# Altium PCB CONTROLLER_BASE.PcbDoc (part 7 of 7)
Units mm, origin at the board's own origin, x right, y up, seen from the top; angles counter-clockwise.
Board outline 258 x 160 mm, 4 copper layers (Top Layer, Internal Plane 1, Internal Plane 2, Bottom Layer); 818 components, 410 nets, 2314 pads, 511 vias.
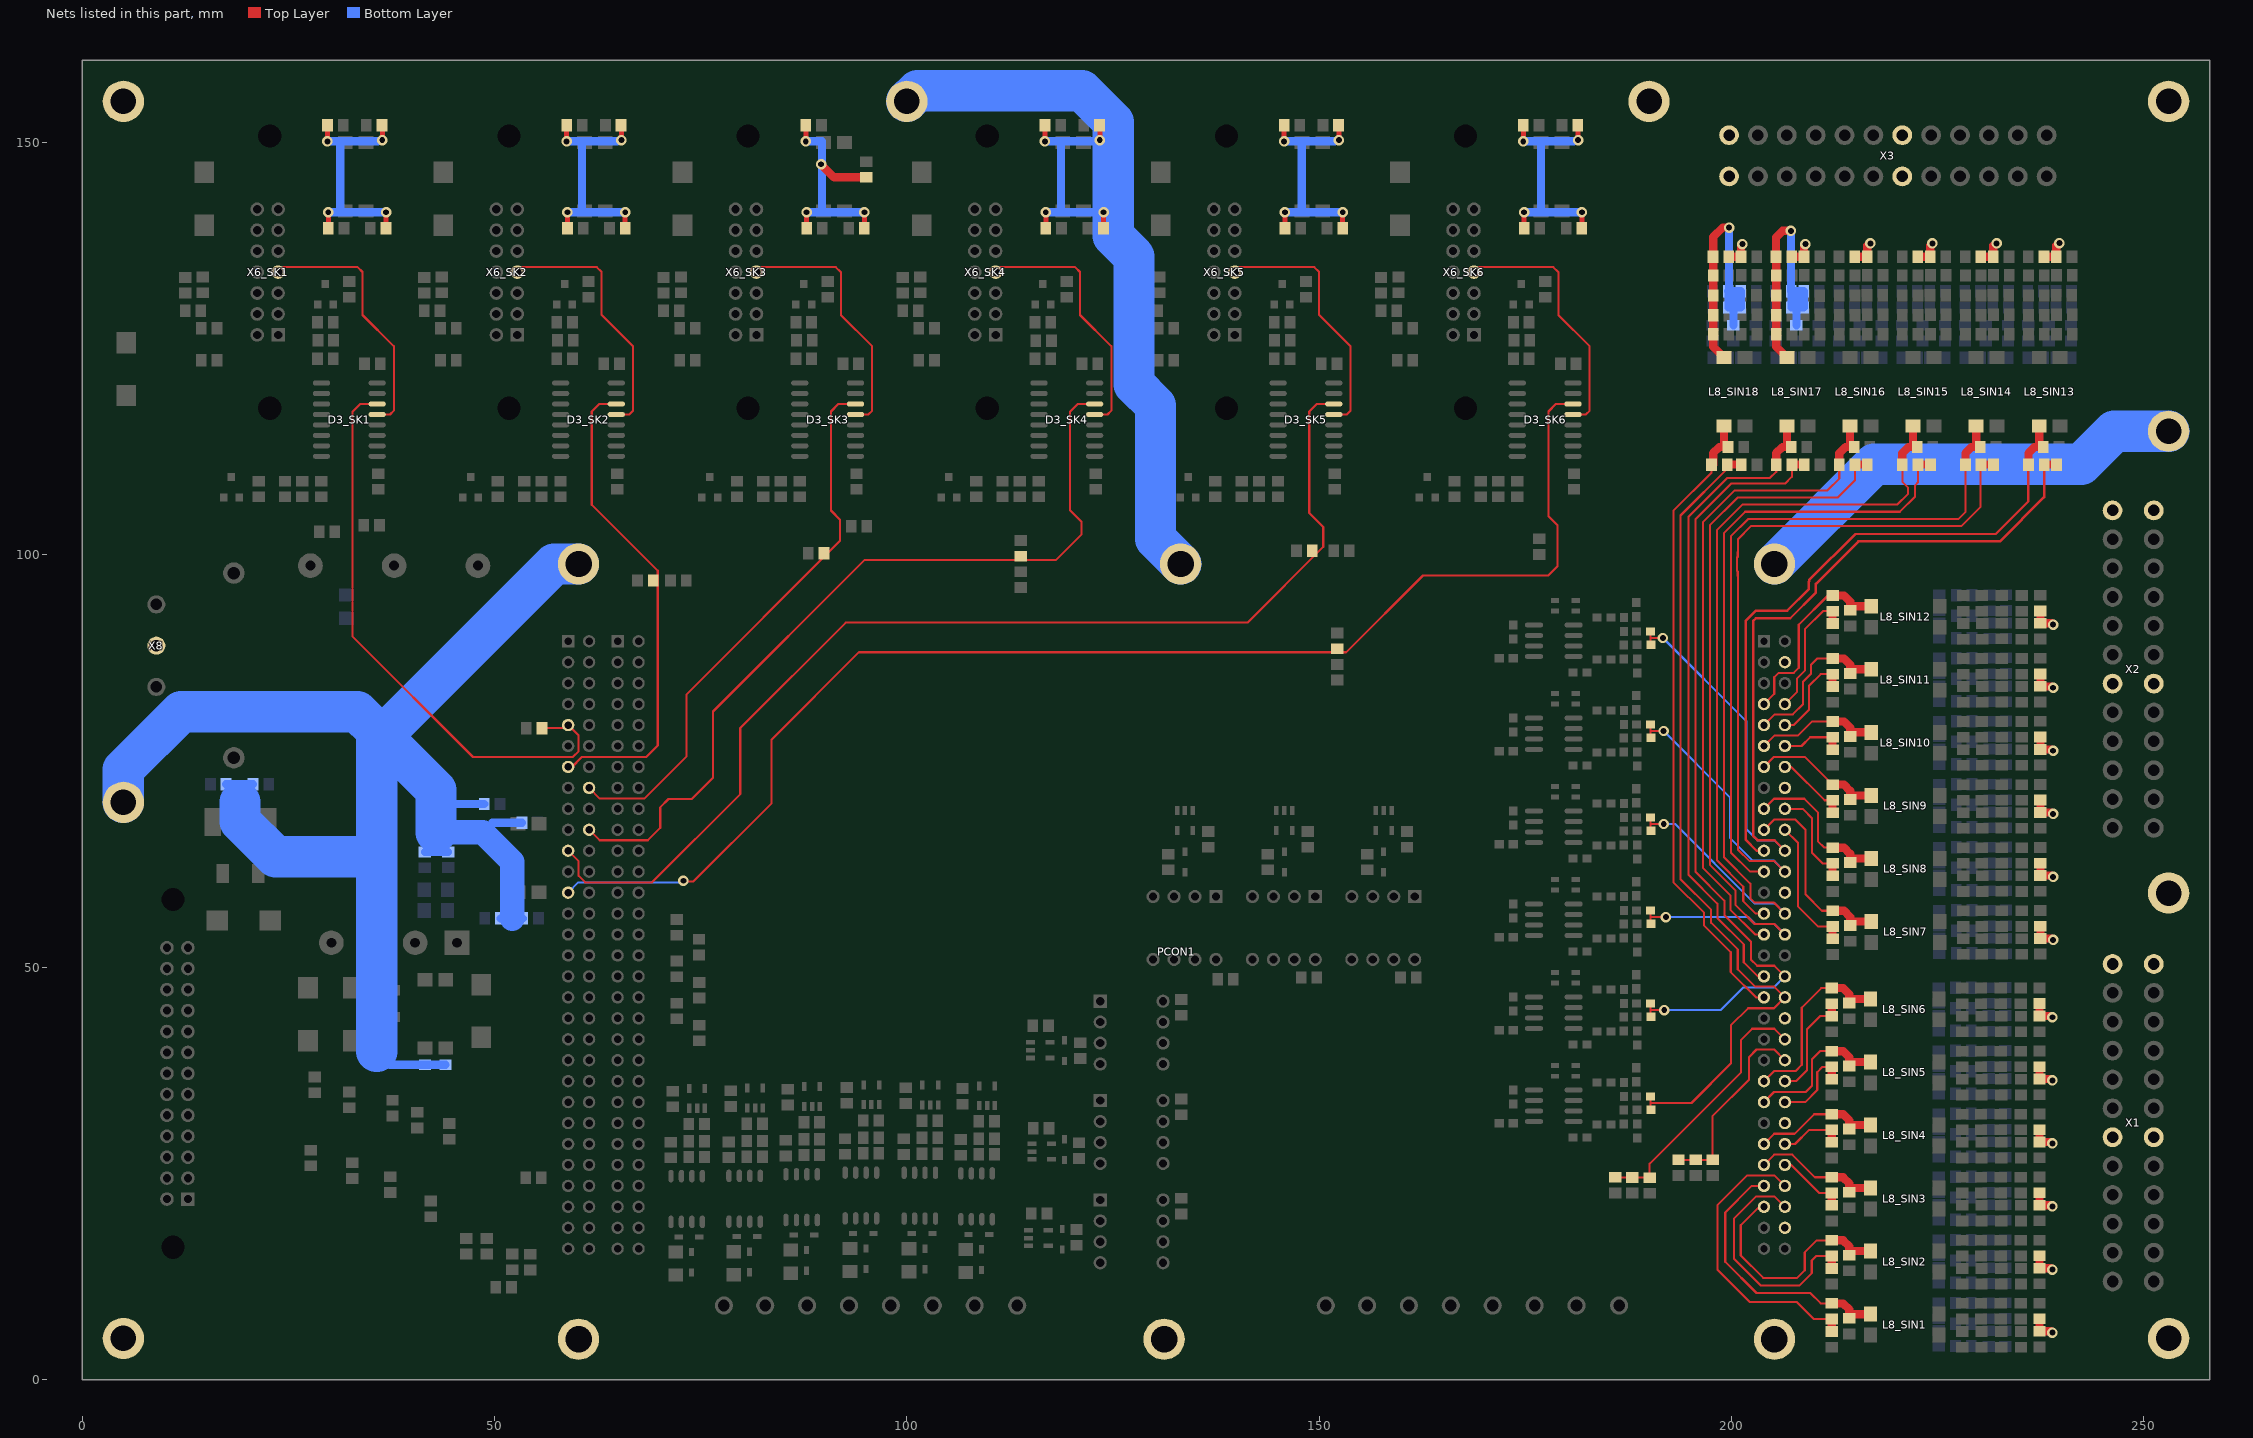
[diagram p9: the nets of this part, all layers, seen from the top]

## Via types
v1: diameter 1.27, hole 0.711, Top Layer to Bottom Layer, tented both sides, 414 vias
v2: diameter 0.9, hole 0.4, Top Layer to Bottom Layer, tented both sides, 95 vias
v3: diameter 0.9, hole 0.5, Top Layer to Bottom Layer, tented both sides, 2 vias

## Nets (pads, with @x,y where several pads share a name; then routed paths per layer and width w, separated by ;. In a path a pad name is that pad's centre, name@x,y a point inside that pad or via, vN(x,y) a via of type N, cw(c..) or ccw(c..) an arc to the next point about the centre after c; other vN are vias at no path point) (continued)
SGND_SIN17: C31_SIN17.1 C33_SIN17.1 C35_SIN17.2 C36_SIN17.2 C46_SIN17.2 L5_SIN17.1 L8_SIN17.3 R44_SIN17.1 R45_SIN17.1 R46_SIN17.1 R47_SIN17.1 | length 35.9
  Top Layer w1: C46_SIN17.2@205.393,136.148 205.393,138.515 206.178,139.3 v1(207.2,139.3) ; C46_SIN17.2@205.418,136.3 R44_SIN17.1@205.418,133.881 R47_SIN17.1@205.418,131.462 R46_SIN17.1@205.418,129.042 R45_SIN17.1@205.418,126.775 205.418,125.256 L8_SIN17.3@206.724,123.95
  Bottom Layer w1: v1(207.2,139.3) 207.2,132.024 C36_SIN17.2@207.242,131.982 C36_SIN17.2@207.267,131.982 ; C36_SIN17.2@207.267,132.048 C36_SIN17.2@207.267,131.982 ; L5_SIN17.1@207.867,127.852 207.867,129.925 207.943,130.001 ; C36_SIN17.2@207.267,131.982 C35_SIN17.2@207.267,130.001 207.943,130.001 ; C36_SIN17.2@207.267,131.982 208.019,131.982 ; 207.943,130.001 208.019,130.077 208.019,131.982 ; 207.943,130.001 C31_SIN17.1@208.746,130.001 C33_SIN17.1@208.746,131.982 208.019,131.982
SGND_SIN18: C31_SIN18.1 C33_SIN18.1 C35_SIN18.2 C36_SIN18.2 C46_SIN18.2 L5_SIN18.1 L8_SIN18.3 R44_SIN18.1 R45_SIN18.1 R46_SIN18.1 R47_SIN18.1 | length 36.5
  Top Layer w1: L8_SIN18.3@199.078,123.95 197.773,125.256 R45_SIN18.1@197.773,126.775 R46_SIN18.1@197.773,129.042 R47_SIN18.1@197.773,131.462 R44_SIN18.1@197.773,133.881 197.773,138.54 198.933,139.7 v1(199.7,139.7)
  Bottom Layer w1: C36_SIN18.2@199.622,132.048 C36_SIN18.2@199.622,131.982 ; v1(199.7,139.7) 199.7,132.086 C36_SIN18.2@199.597,131.982 C36_SIN18.2@199.622,131.982 ; L5_SIN18.1@200.221,127.852 200.221,129.925 200.298,130.001 ; C36_SIN18.2@199.622,131.982 C35_SIN18.2@199.622,130.001 200.298,130.001 ; C36_SIN18.2@199.622,131.982 200.374,131.982 ; 200.298,130.001 200.374,130.077 200.374,131.982 ; 200.298,130.001 C31_SIN18.1@201.1,130.001 C33_SIN18.1@201.1,131.982 200.374,131.982
SHIELD: C6.1 C7.1 C10.2 C12.2 C13.2 C14.1 C15.1 C16.1 C17.2 C18.2 C20_SK1.1 C20_SK2.1 C20_SK3.1 C20_SK4.1 C20_SK5.1 C20_SK6.1 C21_SK1.1 C21_SK2.1 C21_SK3.1 C21_SK4.1 C21_SK5.1 C21_SK6.1 C22_SK1.2 C22_SK2.2 C22_SK3.2 C22_SK4.2 C22_SK5.2 C22_SK6.2 C23_SK1.2 C23_SK2.2 C23_SK3.2 C23_SK4.2 C23_SK5.2 C23_SK6.2 C37_SIN1.2 C37_SIN2.2 C37_SIN3.2 C37_SIN4.2 C37_SIN5.2 C37_SIN6.2 C37_SIN7.2 C37_SIN8.2 C37_SIN9.2 C37_SIN10.2 C37_SIN11.2 C37_SIN12.2 C37_SIN13.2 C37_SIN14.2 C37_SIN15.2 C37_SIN16.2 C37_SIN17.2 C37_SIN18.2 C46_SIN1.1 C46_SIN2.1 C46_SIN3.1 C46_SIN4.1 C46_SIN5.1 C46_SIN6.1 C46_SIN7.1 C46_SIN8.1 C46_SIN9.1 C46_SIN10.1 C46_SIN11.1 C46_SIN12.1 C46_SIN13.1 C46_SIN14.1 C46_SIN15.1 C46_SIN16.1 C46_SIN17.1 C46_SIN18.1 pad.0 PCON1.0 PCON1.P3_4 PCON1.P3_16 PCON1.P3_26 PCON1.P3_38 PCON1.P3_48 PCON1.P3_58 X1.11 X1.12 X1.23 X1.24 X2.11 X2.12 X2.23 X2.24 X3.11 X3.12 X3.23 X3.24 X8.2 | length 553.3
  Top Layer w0.6: v1(29.75,150.15) C20_SK1.1@29.75,152.1 ; C21_SK1.1@29.85,139.6 v1(29.85,141.55) ; C22_SK1.2@36.35,152.1 36.4,152.05 v1(36.4,150.3) ; C23_SK1.2@36.85,139.6 v1(36.85,141.55) ; v1(58.75,150.15) C20_SK2.1@58.75,152.1 ; C21_SK2.1@58.85,139.6 v1(58.85,141.55) ; C22_SK2.2@65.35,152.1 65.4,152.05 v1(65.4,150.3) ; C23_SK2.2@65.85,139.6 v1(65.85,141.55) ; v1(87.75,150.15) C20_SK3.1@87.75,152.1 ; C21_SK3.1@87.85,139.6 v1(87.85,141.55) ; C23_SK3.2@94.85,139.6 v1(94.85,141.55) ; v1(116.75,150.15) C20_SK4.1@116.75,152.1 ; C21_SK4.1@116.85,139.6 v1(116.85,141.55) ; C22_SK4.2@123.35,152.1 123.4,152.05 v1(123.4,150.3) ; C23_SK4.2@123.85,139.6 v1(123.85,141.55) ; v1(145.75,150.15) C20_SK5.1@145.75,152.1 ; C21_SK5.1@145.85,139.6 v1(145.85,141.55) ; C22_SK5.2@152.35,152.1 152.4,152.05 v1(152.4,150.3) ; C23_SK5.2@152.85,139.6 v1(152.85,141.55) ; v1(174.75,150.15) C20_SK6.1@174.75,152.1 ; C21_SK6.1@174.85,139.6 v1(174.85,141.55) ; C22_SK6.2@181.35,152.1 181.4,152.05 v1(181.4,150.3) ; C23_SK6.2@181.85,139.6 v1(181.85,141.55)
  Top Layer w1: v1(89.611,147.371) 91.196,145.786 C22_SK3.2@95.072,145.786 ; C46_SIN18.1@199.647,136.148 C37_SIN18.2@201.151,136.148 v1@201.151,137.535 ; C46_SIN17.1@207.293,136.148 C37_SIN17.2@208.796,136.148 v1@208.796,137.535 ; C46_SIN16.1@214.938,136.148 C37_SIN16.2@216.442,136.148 v1@216.442,137.535 ; C46_SIN15.1@222.584,136.148 C37_SIN15.2@224.087,136.148 v1@224.087,137.535 ; C46_SIN14.1@230.229,136.148 C37_SIN14.2@231.733,136.148 v1@231.733,137.535 ; C46_SIN1.1@237.347,7.376 C37_SIN1.2@237.347,5.872 v1@238.734,5.872 ; C46_SIN2.1@237.347,15.021 C37_SIN2.2@237.347,13.517 v1@238.734,13.517 ; C46_SIN3.1@237.347,22.666 C37_SIN3.2@237.347,21.163 v1@238.734,21.163 ; C46_SIN4.1@237.347,30.312 C37_SIN4.2@237.347,28.808 v1@238.734,28.808 ; C46_SIN5.1@237.347,37.957 C37_SIN5.2@237.347,36.454 v1@238.734,36.454 ; C46_SIN6.1@237.347,45.603 C37_SIN6.2@237.347,44.099 v1@238.734,44.099 ; C46_SIN7.1@237.446,54.985 237.446,53.481 v1@238.832,53.481 ; C46_SIN8.1@237.446,62.63 C37_SIN8.2@237.446,61.127 v1@238.832,61.127 ; C46_SIN9.1@237.446,70.276 C37_SIN9.2@237.446,68.772 v1@238.832,68.772 ; C46_SIN10.1@237.446,77.921 C37_SIN10.2@237.446,76.417 v1@238.832,76.417 ; C46_SIN11.1@237.446,85.566 C37_SIN11.2@237.446,84.063 v1@238.832,84.063 ; C46_SIN12.1@237.446,93.212 C37_SIN12.2@237.446,91.708 v1@238.832,91.708 ; C46_SIN13.1@237.874,136.148 C37_SIN13.2@239.378,136.148 v1@239.378,137.535
  Bottom Layer w1: C14.1@17.46,72.187 C10.2@20.716,72.187 ; v1(29.75,150.15) v1@35.85,150.15 ; v1(29.85,141.55) 31.3,141.55 ; 31.3,149.95 31.3,141.55 ; v1(36.85,141.55) 31.3,141.55 ; 37.323,38.191 C6.1@44.069,38.191 ; C13.2@41.58,63.993 C7.1@44.374,63.993 ; 44.577,69.799 C18.2@48.758,69.799 ; 49.733,67.513 C16.1@53.33,67.513 ; C17.2@50.734,55.931 52.146,55.931 C15.1@53.431,55.931 ; v1(58.75,150.15) v1@64.85,150.15 ; v1(58.85,141.55) 60.6,141.55 ; 60.6,150.05 60.6,141.55 ; v1(65.85,141.55) 60.6,141.55 ; v1(87.75,150.15) 89.7,150.15 89.7,141.55 ; v1(87.85,141.55) 89.7,141.55 ; v1(94.85,141.55) 89.7,141.55 ; v1(116.75,150.15) v1@122.85,150.15 ; v1(116.85,141.55) 118.7,141.55 ; 118.7,149.95 118.7,141.55 ; v1(123.85,141.55) 118.7,141.55 ; v1(145.75,150.15) v1@151.85,150.15 ; v1(145.85,141.55) 147.9,141.55 ; 147.9,149.85 147.9,141.55 ; v1(152.85,141.55) 147.9,141.55 ; v1(174.75,150.15) 176.9,150.15 ; v1(174.85,141.55) 176.9,141.55 ; v1@180.85,150.15 176.9,150.15 ; v1(181.85,141.55) 176.9,141.55 ; 176.9,141.55 176.9,150.15
  Bottom Layer w3: 42.901,66.37 48.59,66.37 52.146,62.814 52.146,55.931
  Bottom Layer w5: pad.0@5,70 5,73.986 12.014,81.001 33.376,81.001 35.712,78.664 ; 19.152,70.053 19.152,67.716 23.47,63.398 35.712,63.398 ; 35.712,39.802 35.712,63.398 ; 42.901,66.37 42.901,71.476 35.712,78.664 ; PCON1.0@60.2,98.9 57.244,98.9 37.008,78.664 35.712,78.664 ; pad.0@100,155 101.286,156.286 121.234,156.286 125.019,152.502 125.019,138.709 127.559,136.169 127.559,120.701 130.15,118.11 130.15,101.95 PCON1.0@133.2,98.9 ; PCON1.0@205.2,98.9 217.298,110.998 242.392,110.998 246.394,115 pad.0@253,115 ; 35.712,63.398 35.712,78.664
  other v1: 238.896,5.709 238.896,13.355 238.896,21 238.896,28.646 238.896,36.291 238.896,43.936 238.995,53.319 238.995,60.964 238.995,68.609 238.995,76.255 238.995,83.9 238.995,91.546 201.314,137.697 208.959,137.697 216.84,137.77 224.358,137.77 232.131,137.77 239.751,137.82
SIG_N_1: C38_SIN1.1 C45_SIN1.1 L8_SIN1.2 PCON1.P3_53 | length 33.3
  Top Layer w0.254: PCON1.P3_53@203.93,23.494 202.462,23.494 199.238,20.269 199.238,14.3 203.022,10.516 209.55,10.516 210.815,9.25 C38_SIN1.1@212.15,9.25
  Top Layer w1: C38_SIN1.1@212.15,9.25 213.537,9.25 214.284,8.503 C45_SIN1.1@214.284,7.447 214.781,7.945 L8_SIN1.2@216.849,7.945
SIG_N_2: C38_SIN2.1 C45_SIN2.1 L8_SIN2.2 PCON1.P3_55 | length 29
  Top Layer w0.254: PCON1.P3_55@203.93,20.954 203.351,20.954 201.117,18.72 201.117,15.062 203.835,12.344 207.95,12.344 208.874,13.268 208.874,15.437 210.333,16.896 C38_SIN2.1@212.15,16.896
  Top Layer w1: C38_SIN2.1@212.15,16.896 213.537,16.896 214.284,16.149 C45_SIN2.1@214.284,15.092 214.781,15.59 L8_SIN2.2@216.849,15.59
SIG_N_3: C38_SIN3.1 C45_SIN3.1 L8_SIN3.2 PCON1.P3_51 | length 16.1
  Top Layer w0.254: PCON1.P3_51@203.93,26.034 205.176,27.28 207.366,27.28 210.104,24.541 C38_SIN3.1@212.15,24.541
  Top Layer w1: C38_SIN3.1@212.15,24.541 213.537,24.541 214.284,23.794 C45_SIN3.1@214.284,22.738 214.781,23.235 L8_SIN3.2@216.849,23.235
SIG_N_4: C38_SIN4.1 C45_SIN4.1 L8_SIN4.2 PCON1.P3_49 | length 16
  Top Layer w0.254: PCON1.P3_49@203.93,28.574 205.176,29.82 207.645,29.82 210.012,32.186 C38_SIN4.1@212.15,32.186
  Top Layer w1: C38_SIN4.1@212.15,32.186 213.537,32.186 214.284,31.44 C45_SIN4.1@214.284,30.383 214.781,30.881 L8_SIN4.2@216.849,30.881
SIG_N_5: C38_SIN5.1 C45_SIN5.1 L8_SIN5.2 PCON1.P3_45 | length 18.9
  Top Layer w0.254: PCON1.P3_45@203.93,33.654 205.151,34.874 208.991,34.874 209.753,35.636 209.753,38.862 210.723,39.832 C38_SIN5.1@212.15,39.832
  Top Layer w1: C38_SIN5.1@212.15,39.832 213.537,39.832 214.284,39.085 C45_SIN5.1@214.284,38.028 214.781,38.526 L8_SIN5.2@216.849,38.526
SIG_N_6: C38_SIN6.1 C45_SIN6.1 L8_SIN6.2 PCON1.P3_43 | length 23.2
  Top Layer w0.254: PCON1.P3_43@203.93,36.194 205.151,37.414 207.747,37.414 208.509,38.176 208.509,45.11 210.875,47.477 C38_SIN6.1@212.15,47.477
  Top Layer w1: C38_SIN6.1@212.15,47.477 213.537,47.477 214.284,46.73 C45_SIN6.1@214.284,45.674 214.781,46.172 L8_SIN6.2@216.849,46.172
SIG_N_7: C38_SIN7.1 C45_SIN7.1 L8_SIN7.2 PCON1.P3_19 | length 24.3
  Top Layer w0.254: PCON1.P3_19@203.93,66.674 205.201,67.945 207.696,67.945 208.966,66.675 208.966,58.852 210.958,56.859 C38_SIN7.1@212.249,56.859
  Top Layer w1: C38_SIN7.1@212.249,56.859 213.636,56.859 214.382,56.113 C45_SIN7.1@214.382,55.056 214.88,55.554 L8_SIN7.2@216.948,55.554
SIG_N_8: C38_SIN8.1 C45_SIN8.1 L8_SIN8.2 PCON1.P3_17 | length 19.6
  Top Layer w0.254: PCON1.P3_17@203.93,69.214 205.151,70.434 208.813,70.434 210.464,68.783 210.464,65.303 211.263,64.505 C38_SIN8.1@212.249,64.505
  Top Layer w1: C38_SIN8.1@212.249,64.505 213.636,64.505 214.382,63.758 C45_SIN8.1@214.382,62.701 214.88,63.199 L8_SIN8.2@216.948,63.199
SIG_N_9: C38_SIN9.1 C45_SIN9.1 L8_SIN9.2 PCON1.P3_13 | length 16.5
  Top Layer w0.254: PCON1.P3_13@203.93,74.294 205.151,75.514 208.885,75.514 C38_SIN9.1@212.249,72.15
  Top Layer w1: C38_SIN9.1@212.249,72.15 213.636,72.15 214.382,71.403 C45_SIN9.1@214.382,70.347 214.88,70.845 L8_SIN9.2@216.948,70.845
SIG_N_10: C38_SIN10.1 C45_SIN10.1 L8_SIN10.2 PCON1.P3_11 | length 15.8
  Top Layer w0.254: PCON1.P3_11@203.93,76.834 205.227,78.13 208.077,78.13 209.742,79.796 C38_SIN10.1@212.249,79.796
  Top Layer w1: C38_SIN10.1@212.249,79.796 213.636,79.796 214.382,79.049 C45_SIN10.1@214.382,77.992 214.88,78.49 L8_SIN10.2@216.948,78.49
SIG_N_11: C38_SIN11.1 C45_SIN11.1 L8_SIN11.2 PCON1.P3_9 | length 20.2
  Top Layer w0.254: PCON1.P3_9@203.93,79.374 205.227,80.67 207.416,80.67 208.661,81.915 208.661,84.607 209.626,85.573 209.626,86.69 210.377,87.441 C38_SIN11.1@212.249,87.441
  Top Layer w1: C38_SIN11.1@212.249,87.441 213.636,87.441 214.382,86.694 C45_SIN11.1@214.382,85.638 214.88,86.135 L8_SIN11.2@216.948,86.135
SIG_N_12: C38_SIN12.1 C45_SIN12.1 L8_SIN12.2 PCON1.P3_7 | length 24.3
  Top Layer w0.254: PCON1.P3_7@203.93,81.914 205.181,83.165 205.181,85.166 205.715,85.7 207.543,85.7 208.153,86.309 208.153,91.542 211.698,95.086 C38_SIN12.1@212.249,95.086
  Top Layer w1: C38_SIN12.1@212.249,95.086 213.636,95.086 214.382,94.34 C45_SIN12.1@214.382,93.283 214.88,93.781 L8_SIN12.2@216.948,93.781
SIG_N_13: C38_SIN13.1 C45_SIN13.1 L8_SIN13.2 PCON1.P3_21 | length 80.9
  Top Layer w0.3: PCON1.P3_21@203.93,64.134 203.049,64.134 201.701,65.481 201.701,91.999 202.946,93.243 206.756,93.243 209.336,95.823 209.336,96.712 209.412,96.788 209.412,96.944 215.008,102.54 232.029,102.54 236,106.511 C38_SIN13.1@236,110.951
  Top Layer w1: C38_SIN13.1@236,110.951 236,112.338 236.747,113.085 C45_SIN13.1@237.803,113.085 237.305,113.582 L8_SIN13.2@237.305,115.65
SIG_N_14: C38_SIN14.1 C45_SIN14.1 L8_SIN14.2 PCON1.P3_23 | length 85
  Top Layer w0.254: PCON1.P3_23@203.93,61.594 202.247,61.594 199.923,63.918 199.923,102.274 201.992,104.343 227.508,104.343 228.354,105.19 C38_SIN14.1@228.354,110.951
  Top Layer w1: C38_SIN14.1@228.354,110.951 228.354,112.338 229.101,113.085 C45_SIN14.1@230.158,113.085 229.66,113.582 L8_SIN14.2@229.66,115.65
SIG_N_15: C38_SIN15.1 C45_SIN15.1 L8_SIN15.2 PCON1.P3_27 | length 84.5
  Top Layer w0.254: PCON1.P3_27@203.93,56.514 202.933,56.514 201.422,58.025 201.422,59.778 198.247,62.953 198.247,103.036 201.306,106.096 220.059,106.096 221.405,107.442 221.405,108.16 220.709,108.856 C38_SIN15.1@220.709,110.951
  Top Layer w1: C38_SIN15.1@220.709,110.951 220.709,112.338 221.456,113.085 C45_SIN15.1@222.512,113.085 222.015,113.582 L8_SIN15.2@222.015,115.65
SIG_N_16: C38_SIN16.1 C45_SIN16.1 L8_SIN16.2 PCON1.P3_29 | length 80.4
  Top Layer w0.254: PCON1.P3_29@203.93,53.974 202.871,53.974 199.853,56.992 199.853,58.731 196.52,62.064 196.52,103.951 200.392,107.823 211.633,107.823 213.064,109.254 C38_SIN16.1@213.064,110.951
  Top Layer w1: C38_SIN16.1@213.064,110.951 213.064,112.338 213.81,113.085 C45_SIN16.1@214.867,113.085 214.369,113.582 L8_SIN16.2@214.369,115.65
SIG_N_17: C38_SIN17.1 C45_SIN17.1 L8_SIN17.2 PCON1.P3_33 | length 80
  Top Layer w0.254: PCON1.P3_33@203.93,48.894 203.187,48.894 201.482,50.599 201.482,52.773 198.272,55.983 198.272,57.72 194.777,61.216 194.777,104.632 199.466,109.322 204.648,109.322 205.418,110.092 C38_SIN17.1@205.418,110.951
  Top Layer w1: C38_SIN17.1@205.418,110.951 205.418,112.338 206.165,113.085 C45_SIN17.1@207.222,113.085 206.724,113.582 L8_SIN17.2@206.724,115.65
SIG_N_18: C38_SIN18.1 C45_SIN18.1 L8_SIN18.2 PCON1.P3_35 | length 77.9
  Top Layer w0.254: C38_SIN18.1@197.576,110.947 197.576,109.997 192.948,105.369 192.948,60.327 196.672,56.603 196.672,55.053 199.898,51.827 199.898,49.414 202.958,46.354 PCON1.P3_35@203.93,46.354
  Top Layer w1: C38_SIN18.1@197.773,110.951 197.773,112.338 198.52,113.085 C45_SIN18.1@199.576,113.085 199.078,113.582 L8_SIN18.2@199.078,115.65
SIG_P_1: C38_SIN1.2 L7_SIN1.2 PCON1.P3_54 | length 35.9
  Top Layer w0.254: PCON1.P3_54@206.47,23.494 205.225,24.74 201.854,24.74 198.272,21.158 198.272,13.36 202.209,9.423 202.222,9.436 207.88,9.436 209.966,7.35 C38_SIN1.2@212.15,7.35
  Top Layer w1: L7_SIN1.2@212.15,5.847 C38_SIN1.2@212.15,7.35
SIG_P_2: C38_SIN2.2 L7_SIN2.2 PCON1.P3_56 | length 29.8
  Top Layer w0.254: PCON1.P3_56@206.47,20.954 205.225,22.2 202.946,22.2 200.279,19.533 200.279,14.693 203.567,11.405 208.218,11.405 209.728,12.915 209.728,14.453 210.271,14.996 C38_SIN2.2@212.15,14.996
  Top Layer w1: L7_SIN2.2@212.15,13.492 C38_SIN2.2@212.15,14.996
SIG_P_3: C38_SIN3.2 L7_SIN3.2 PCON1.P3_52 | length 8.6
  Top Layer w0.254: PCON1.P3_52@206.47,26.034 207.24,26.034 210.633,22.641 C38_SIN3.2@212.15,22.641
  Top Layer w1: L7_SIN3.2@212.15,21.137 C38_SIN3.2@212.15,22.641
SIG_P_4: C38_SIN4.2 L7_SIN4.2 PCON1.P3_50 | length 7.9
  Top Layer w0.254: PCON1.P3_50@206.47,28.574 207.695,28.574 209.407,30.286 C38_SIN4.2@212.15,30.286
  Top Layer w1: L7_SIN4.2@212.15,28.783 C38_SIN4.2@212.15,30.286
SIG_P_5: C38_SIN5.2 L7_SIN5.2 PCON1.P3_46 | length 10.2
  Top Layer w0.254: PCON1.P3_46@206.47,33.654 208.914,33.654 210.388,35.128 210.388,37.287 211.033,37.932 C38_SIN5.2@212.15,37.932
  Top Layer w1: L7_SIN5.2@212.15,36.428 C38_SIN5.2@212.15,37.932
SIG_P_6: C38_SIN6.2 L7_SIN6.2 PCON1.P3_44 | length 13.4
  Top Layer w0.254: PCON1.P3_44@206.47,36.194 207.822,36.194 209.144,37.516 209.144,42.494 210.723,44.074 L7_SIN6.2@212.15,44.074
  Top Layer w1: L7_SIN6.2@212.15,44.074 C38_SIN6.2@212.15,45.577
SIG_P_7: C38_SIN7.2 L7_SIN7.2 PCON1.P3_20 | length 16.7
  Top Layer w0.254: PCON1.P3_20@206.47,66.674 208.077,65.068 208.077,57.353 210.471,54.959 C38_SIN7.2@212.249,54.959
  Top Layer w1: L7_SIN7.2@212.249,53.456 C38_SIN7.2@212.249,54.959
SIG_P_8: C38_SIN8.2 L7_SIN8.2 PCON1.P3_18 | length 12.5
  Top Layer w0.254: PCON1.P3_18@206.47,69.214 208.611,69.214 209.779,68.047 209.779,63.856 211.029,62.605 C38_SIN8.2@212.249,62.605
  Top Layer w1: L7_SIN8.2@212.249,61.101 C38_SIN8.2@212.249,62.605
SIG_P_9: C38_SIN9.2 L7_SIN9.2 PCON1.P3_14 | length 8.2
  Top Layer w0.254: 207.24,74.294 211.283,70.25 C38_SIN9.2@212.249,70.25
  Top Layer w1: L7_SIN9.2@212.249,68.747 C38_SIN9.2@212.249,70.25
SIG_P_10: C38_SIN10.2 L7_SIN10.2 PCON1.P3_12 | length 7.7
  Top Layer w0.254: PCON1.P3_12@206.47,76.834 208.482,76.834 209.544,77.896 C38_SIN10.2@212.249,77.896
  Top Layer w1: L7_SIN10.2@212.249,76.392 C38_SIN10.2@212.249,77.896
SIG_P_11: C38_SIN11.2 L7_SIN11.2 PCON1.P3_10 | length 11.5
  Top Layer w0.254: PCON1.P3_10@206.47,79.374 207.542,79.374 209.398,81.229 209.398,84.125 210.814,85.541 C38_SIN11.2@212.249,85.541
  Top Layer w1: L7_SIN11.2@212.249,84.037 C38_SIN11.2@212.249,85.541
SIG_P_12: C38_SIN12.2 L7_SIN12.2 PCON1.P3_8 | length 15.8
  Top Layer w0.254: PCON1.P3_8@206.47,81.914 207.95,83.393 207.95,85.039 208.89,85.979 208.89,90.983 211.093,93.186 C38_SIN12.2@212.249,93.186
  Top Layer w1: L7_SIN12.2@212.249,91.683 C38_SIN12.2@212.249,93.186
SIG_P_13: C38_SIN13.2 L7_SIN13.2 PCON1.P3_22 R52_LIM6.2 R53_LIM6.1 | length 114.5
  Top Layer w0.254: R53_LIM6.1@190.168,90.717 190.168,89.93 ; R52_LIM6.2@190.219,89.117 190.168,89.168 190.168,89.93 ; v1(191.682,89.93) 190.168,89.93
  Top Layer w0.3: PCON1.P3_22@206.47,64.134 205.174,65.43 203.124,65.43 202.616,65.938 202.616,91.999 202.946,92.329 207.112,92.329 210.236,95.453 210.236,96.495 215.381,101.64 232.526,101.64 237.9,107.014 C38_SIN13.2@237.9,110.951
  Top Layer w1: C38_SIN13.2@237.9,110.951 L7_SIN13.2@239.403,110.951
  Bottom Layer w0.254: v1(191.682,89.93) 201.778,79.834 201.778,66.777 203.149,65.405 205.199,65.405 PCON1.P3_22@206.47,64.134
SIG_P_14: C38_SIN14.2 L7_SIN14.2 PCON1.P3_24 R52_LIM5.2 R53_LIM5.1 | length 110.1
  Top Layer w0.254: R53_LIM5.1@190.168,79.439 190.168,78.652 ; R52_LIM5.2@190.219,77.839 190.168,77.89 190.168,78.652 ; v1(191.758,78.652) 190.168,78.652 ; PCON1.P3_24@206.47,61.594 205.199,62.865 202.184,62.865 200.777,64.272 200.777,97.396 200.751,97.422 200.751,98.015 200.664,98.102 200.664,99.698 200.751,99.785 200.751,100.378 200.777,100.404 200.777,101.921 202.346,103.489 227.862,103.489 230.2,105.828 230.2,110.897 C38_SIN14.2@230.254,110.951
  Top Layer w1: C38_SIN14.2@230.254,110.951 L7_SIN14.2@231.758,110.951
  Bottom Layer w0.254: v1(191.758,78.652) 199.796,70.614 199.796,65.71 202.59,62.916 205.149,62.916 PCON1.P3_24@206.47,61.594
SIG_P_15: C38_SIN15.2 L7_SIN15.2 PCON1.P3_28 R52_LIM4.2 R53_LIM4.1 | length 103.5
  Top Layer w0.254: R53_LIM4.1@190.168,68.162 190.168,67.374 ; R52_LIM4.2@190.219,66.562 190.168,66.612 190.168,67.374 ; v1(191.782,67.374) 190.168,67.374 ; PCON1.P3_28@206.47,56.514 205.149,57.836 202.819,57.836 202.276,58.379 202.276,60.131 199.101,63.306 199.101,102.683 201.66,105.242 220.413,105.242 222.259,107.088 222.259,108.442 222.609,108.792 C38_SIN15.2@222.609,110.951
  Top Layer w1: C38_SIN15.2@222.609,110.951 L7_SIN15.2@224.113,110.951
  Bottom Layer w0.254: v1(191.782,67.374) 193.153,67.374 202.768,57.76 205.225,57.76 PCON1.P3_28@206.47,56.514
SIG_P_16: C38_SIN16.2 L7_SIN16.2 PCON1.P3_30 R52_LIM3.2 R53_LIM3.1 | length 96.8
  Top Layer w0.254: R53_LIM3.1@190.168,56.884 190.168,56.097 ; R52_LIM3.2@190.219,55.284 190.168,55.335 190.168,56.097 ; v1(192.036,56.097) 190.168,56.097 ; PCON1.P3_30@206.47,53.974 205.199,55.245 202.808,55.245 200.457,57.596 200.457,59.334 197.374,62.417 197.374,103.597 200.746,106.969 212.862,106.969 214.964,109.071 C38_SIN16.2@214.964,110.951
  Top Layer w1: C38_SIN16.2@214.964,110.951 L7_SIN16.2@216.467,110.951
  Bottom Layer w0.254: v1(192.036,56.097) 201.993,56.097 202.844,55.245 205.199,55.245 PCON1.P3_30@206.47,53.974
SIG_P_17: C38_SIN17.2 L7_SIN17.2 PCON1.P3_34 R52_LIM2.2 R53_LIM2.1 | length 97.5
  Top Layer w0.254: R53_LIM2.1@190.168,45.607 190.168,44.819 ; R52_LIM2.2@190.219,44.006 190.168,44.057 190.168,44.819 ; v1(191.834,44.819) 190.168,44.819 ; PCON1.P3_34@206.47,48.894 205.174,50.19 203.098,50.19 202.336,50.952 202.336,53.127 199.126,56.337 199.126,58.074 195.631,61.57 195.631,104.318 199.974,108.661 206.502,108.661 207.318,109.477 C38_SIN17.2@207.318,110.951
  Top Layer w1: C38_SIN17.2@207.318,110.951 L7_SIN17.2@208.822,110.951
  Bottom Layer w0.254: v1(191.834,44.819) 198.692,44.819 201.447,47.574 205.151,47.574 PCON1.P3_34@206.47,48.894
SIG_P_18: C38_SIN18.2 L7_SIN18.2 PCON1.P3_36 R52_LIM1.2 R53_LIM1.1 | length 101.1
  Top Layer w0.254: R53_LIM1.1@190.168,34.329 190.168,33.542 ; R52_LIM1.2@190.219,32.729 190.168,32.78 190.168,33.542 ; C38_SIN18.2@199.673,110.951 199.673,110.646 193.802,104.775 193.802,60.681 197.526,56.956 197.526,55.407 200.752,52.181 200.752,49.768 202.87,47.65 205.174,47.65 PCON1.P3_36@206.47,46.354 205.151,45.034 202.006,45.034 199.923,42.951 199.923,38.329 195.136,33.542 190.168,33.542
  Top Layer w1: C38_SIN18.2@199.673,110.951 L7_SIN18.2@201.176,110.951
SIG_P_19: C50.1 PCON1.P3_40 R61.1 R63.1 | length 31.9
  Top Layer w0.254: R63.1@185.903,24.547 185.953,24.496 R61.1@190.068,24.496 190.068,26.187 201.168,37.287 201.168,41.199 202.514,42.545 205.199,42.545 PCON1.P3_40@206.47,41.274
SIG_P_20: C51.1 PCON1.P3_42 R62.1 R64.1 | length 23.7
  Top Layer w0.254: R64.1@193.573,26.655 R62.1@197.714,26.655 197.714,31.979 202.108,36.373 202.108,39.116 203.022,40.03 205.174,40.03 PCON1.P3_42@206.47,38.734
TOP_CTRL_1: D3_SK1.14 PCON1.P1_9 R1.1 | length 70.9
  Top Layer w0.254: D3_SK1.14@35.775,118.305 33.705,118.305 32.8,117.4 32.8,90.1 47.4,75.5 59.5,75.5 60.198,76.198 60.198,78.106 PCON1.P1_9@58.93,79.374 ; R1.1@55.75,79 PCON1.P1_9@58.556,79
TOP_CTRL_2: D3_SK2.14 PCON1.P1_13 R3.1 | length 59.1
  Top Layer w0.254: PCON1.P1_13@58.93,74.294 59.394,74.294 60.6,75.5 68.4,75.5 69.8,76.9 69.8,98.086 61.8,106.086 61.8,117.4 62.705,118.305 D3_SK2.14@64.775,118.305
TOP_CTRL_3: D3_SK3.14 PCON1.P1_16 R5.1 | length 67.8
  Top Layer w0.254: PCON1.P1_16@61.47,71.754 62.765,70.46 68.16,70.46 73.3,75.6 73.3,83.1 91.9,101.7 91.9,104.286 90.8,105.386 90.8,117.4 91.705,118.305 D3_SK3.14@93.775,118.305
TOP_CTRL_4: D3_SK4.14 PCON1.P1_20 R7.1 | length 100.6
  Top Layer w0.254: PCON1.P1_20@61.47,66.674 62.744,65.4 68.6,65.4 70.1,66.9 70.1,69.4 71.1,70.4 73.9,70.4 76.5,73 76.5,81.014 94.886,99.4 118.1,99.4 121.193,102.493 121.193,103.993 119.8,105.386 119.8,117.4 120.705,118.305 D3_SK4.14@122.775,118.305
TOP_CTRL_5: D3_SK5.14 PCON1.P1_21 R9.1 | length 136.2
  Top Layer w0.254: PCON1.P1_21@58.93,64.134 60.2,62.864 60.2,61.1 61,60.3 69.1,60.3 79.8,71 79.8,79.014 92.586,91.8 141.3,91.8 150.493,100.993 150.493,103.393 148.8,105.086 148.8,117.4 149.705,118.305 D3_SK5.14@151.775,118.305
TOP_CTRL_6: D3_SK6.14 PCON1.P1_25 R11.1 | length 163.5
  Top Layer w0.254: v1(72.9,60.5) 73,60.4 74.1,60.4 83.6,69.9 83.6,77.614 94.186,88.2 153.275,88.2 162.585,97.511 177.775,97.511 178.893,98.629 178.893,103.593 177.8,104.686 177.8,117.4 178.705,118.305 D3_SK6.14@180.775,118.305
  Bottom Layer w0.254: PCON1.P1_25@58.93,59.054 60.176,60.3 72.7,60.3 v1(72.9,60.5)
TOP_IN_SK1: D3_SK1.13 X6_SK1.7 | length 31.3
  Top Layer w0.254: X6_SK1.7@23.77,134.3 24.37,134.9 33.4,134.9 34,134.3 34,129.1 37.8,125.3 37.8,117.5 37.335,117.035 D3_SK1.13@35.775,117.035
TOP_IN_SK2: D3_SK2.13 X6_SK2.7 | length 31.3
  Top Layer w0.254: X6_SK2.7@52.77,134.3 53.37,134.9 62.4,134.9 63,134.3 63,129.1 66.8,125.3 66.8,117.5 66.335,117.035 D3_SK2.13@64.775,117.035
TOP_IN_SK3: D3_SK3.13 X6_SK3.7 | length 31.3
  Top Layer w0.254: X6_SK3.7@81.77,134.3 82.37,134.9 91.4,134.9 92,134.3 92,129.1 95.8,125.3 95.8,117.5 95.335,117.035 D3_SK3.13@93.775,117.035
TOP_IN_SK4: D3_SK4.13 X6_SK4.7 | length 31.3
  Top Layer w0.254: X6_SK4.7@110.77,134.3 111.37,134.9 120.4,134.9 121,134.3 121,129.1 124.8,125.3 124.8,117.5 124.335,117.035 D3_SK4.13@122.775,117.035
TOP_IN_SK5: D3_SK5.13 X6_SK5.7 | length 31.3
  Top Layer w0.254: X6_SK5.7@139.77,134.3 140.37,134.9 149.4,134.9 150,134.3 150,129.1 153.8,125.3 153.8,117.5 153.335,117.035 D3_SK5.13@151.775,117.035
TOP_IN_SK6: D3_SK6.13 X6_SK6.7 | length 31.3
  Top Layer w0.254: X6_SK6.7@168.77,134.3 169.37,134.9 178.4,134.9 179,134.3 179,129.1 182.8,125.3 182.8,117.5 182.335,117.035 D3_SK6.13@180.775,117.035
pads on no net: D3_SK1.12 D3_SK2.12 D3_SK3.12 D3_SK4.12 D3_SK5.12 D3_SK6.12 D4_DIN1.1 D4_DIN2.1 D4_DIN3.1 D4_DIN4.1 D4_DIN5.1 D4_DIN6.1 D12_OUT1.1 D12_OUT1.4 D12_OUT2.1 D12_OUT2.4 D12_OUT3.1 D12_OUT3.4 D12_OUT4.1 D12_OUT4.4 D12_OUT5.1 D12_OUT5.4 D12_OUT6.1 D12_OUT6.4 D13_OUT1.1 D13_OUT2.1 D13_OUT3.1 D13_OUT4.1 D13_OUT5.1 D13_OUT6.1 O1_DIN1.1 O1_DIN1.4 O1_DIN1.7 O1_DIN2.1 O1_DIN2.4 O1_DIN2.7 O1_DIN3.1 O1_DIN3.4 O1_DIN3.7 O1_DIN4.1 O1_DIN4.4 O1_DIN4.7 O1_DIN5.1 O1_DIN5.4 O1_DIN5.7 O1_DIN6.1 O1_DIN6.4 O1_DIN6.7 PCON1.P3_5 PCON1.P3_6 PS1.3 PS1.6 X6_SK1.MH1 X6_SK1.MH2 X6_SK2.MH1 X6_SK2.MH2 X6_SK3.MH1 X6_SK3.MH2 X6_SK4.MH1 X6_SK4.MH2 X6_SK5.MH1 X6_SK5.MH2 X6_SK6.MH1 X6_SK6.MH2 X9.MH1 X9.MH2

## Polygon pours and split planes (outlines as drawn)
5VIN_SK1 on Bottom Layer "BOT5V" (solid, remove dead copper, pour order 11): 22,8 11,19 8,19 8,54 9,55 15,55 27,43 34,36 41,36 52,36 56,40 57,41 57,77 57,103 54,106 52,108 19,108 16,108 13,111 13,114 184,114 184,102 175,93 175,28 173,26 170,26 166,30 166,53 166,56 164,58 128,58 127,58 124,55 124,38 124,23 84,23 69,22.477 69,14 56,14 50,8
SHIELD on Bottom Layer "BOTSHIELD" (solid, remove dead copper, pour order 12): 2,65 3,66 3,96 10,96 11,95 16,90 33,90 43,90 53,100 55,102 58,102 58,42 53,37 34,37 15,56 2,56
15VS_SK1 on Bottom Layer "BOT15V" (solid, remove dead copper, pour order 18): 12,116 12,142 13,143 14,142 38,142 39,141 39,116 38,115 13,115
15VS_SK2 on Bottom Layer "BOT15V" (solid, remove dead copper, pour order 17): 41,116 41,142 42,143 43,142 67,142 68,141 68,116 67,115 42,115
15VS_SK3 on Bottom Layer "BOT15V" (solid, remove dead copper, pour order 16): 70,116 70,142 71,143 72,142 96,142 97,141 97,116 96,115 71,115
15VS_SK4 on Bottom Layer "BOT15V" (solid, remove dead copper, pour order 15): 99,116 99,142 100,143 101,142 125,142 126,141 126,116 125,115 100,115
15VS_SK5 on Bottom Layer "BOT15V" (solid, remove dead copper, pour order 14): 128,116 128,142 129,143 130,142 154,142 155,141 155,116 154,115 129,115
15VS_SK6 on Bottom Layer "BOT15V" (solid, remove dead copper, pour order 13): 157,116 157,142 158,143 159,142 183,142 184,141 184,116 183,115 158,115
24VINT_OUT1 on Bottom Layer "BOT24V" (solid, remove dead copper, pour order 19): 129,13 129,52 130,53 162,53 164,51 164,29 172,21 182,21 189,14 189,13
SHIELD on Bottom Layer "BOTSHIELD" (solid, remove dead copper, pour order 20): 253,5 192,5 191,6 191,14 191,15 184,22 184,96 184,97 188,101 188,155 253,155
P_GND_SK6 on Internal Plane 1 (split plane): 185.498,111.808 182.492,108.802 156.302,108.802 156.302,145.498 185,145.498 185.098,145.507 185.192,145.536 185.279,145.582 185.355,145.645 185.498,145.787
P_GND_SK5 on Internal Plane 1 (split plane): 155.298,108.802 127.002,108.802 127.002,145.498 155.298,145.498
P_GND_SK4 on Internal Plane 1 (split plane): 125.998,108.802 97.902,108.802 97.902,145.498 125.998,145.498
AGNDIN_SIN1 on Internal Plane 1 (split plane): 257.49,0.51 190.621,0.51 190.621,13.945 190.612,14.043 190.583,14.137 190.537,14.224 190.474,14.3 182.773,22.001 182.773,96.337 186.355,99.92 186.418,99.996 186.464,100.083 186.493,100.177 186.502,100.275 186.502,111.6 186.502,147.2 186.502,159.49 257.49,159.49
24V_DIN7 on Internal Plane 1 (split plane): 164.14,51.201 164.14,29.21 164.15,29.112 164.179,29.018 164.225,28.931 164.288,28.855 167.31,25.832 171.806,21.336 171.882,21.274 171.969,21.227 172.063,21.199 172.161,21.189 182.164,21.189 189.617,13.736 189.617,0.51 139.48,0.51 139.42,0.584 139.344,0.646 139.257,0.693 139.163,0.721 139.065,0.731 131.069,0.731 128.645,3.155 128.645,51.532 129.901,52.787 162.555,52.787
15V_DGND on Internal Plane 1 (split plane): 185.498,147.208 184.792,146.502 13,146.502 12.902,146.493 12.808,146.464 12.721,146.418 12.645,146.355 10.645,144.355 10.582,144.279 10.536,144.192 10.507,144.098 10.498,144 10.498,110.7 10.507,110.602 10.536,110.508 10.582,110.421 10.645,110.345 12.131,108.859 0.51,108.859 0.51,159.49 185.498,159.49
P_GND_SK3 on Internal Plane 1 (split plane): 96.898,108.802 69.202,108.802 69.202,145.498 96.898,145.498
P_GND_SK2 on Internal Plane 1 (split plane): 68.198,108.802 40.202,108.802 40.202,145.498 68.198,145.498
DGND_DIN1 on Internal Plane 1 (split plane): 185.498,100.483 181.915,96.901 181.853,96.825 181.806,96.738 181.778,96.643 181.768,96.545 181.768,22.194 172.369,22.194 168.021,26.543 165.145,29.418 165.145,51.41 165.136,51.508 165.107,51.602 165.061,51.689 164.998,51.765 163.118,53.644 163.042,53.707 162.955,53.753 162.861,53.782 162.763,53.792 129.692,53.792 129.594,53.782 129.5,53.753 129.413,53.707 129.337,53.644 127.788,52.095 127.725,52.019 127.679,51.932 127.65,51.838 127.641,51.74 127.641,2.946 127.65,2.848 127.679,2.754 127.725,2.667 127.788,2.591 129.868,0.51 0.51,0.51 0.51,107.854 13.174,107.854 13.208,107.836 13.302,107.807 13.4,107.798 182.7,107.798 182.798,107.807 182.892,107.836 182.979,107.882 183.055,107.945 185.498,110.387
P_GND_SK1 on Internal Plane 1 (split plane): 39.198,108.802 13.608,108.802 11.502,110.908 11.502,143.792 13.208,145.498 39.198,145.498
AGNDIN_SIN1 on Internal Plane 2 (split plane): 196.678,96.21 196.678,94.894 196.687,94.796 196.716,94.702 196.762,94.615 196.825,94.539 198.146,93.218 198.222,93.156 198.309,93.109 198.403,93.081 198.501,93.071 202.484,93.071 204.196,91.359 204.196,16.058 201.245,13.106 200.604,12.466 190.621,12.466 190.621,13.818 190.612,13.916 190.583,14.01 190.537,14.097 190.474,14.173 182.951,21.697 182.951,96.388 186.289,99.726 193.162,99.726
24V_DIN7 on Internal Plane 2 (split plane): 164.166,51.151 164.166,29.185 164.175,29.087 164.204,28.992 164.25,28.905 164.313,28.829 171.781,21.362 171.857,21.299 171.944,21.253 172.038,21.224 172.136,21.215 182.028,21.215 182.03,21.209 182.093,21.133 189.617,13.609 189.617,12.402 139.095,12.402 139.09,12.407 139.003,12.453 138.909,12.482 138.811,12.491 128.91,12.491 128.62,12.781 128.62,51.481 129.799,52.66 162.657,52.66
DGND_DIN1 on Internal Plane 2 (split plane): 185.527,100.386 182.093,96.951 182.03,96.875 181.984,96.788 181.955,96.694 181.946,96.596 181.946,22.219 172.344,22.219 165.171,29.393 165.171,51.359 165.161,51.457 165.132,51.551 165.086,51.638 165.023,51.714 163.169,53.568 163.093,53.631 163.006,53.677 162.912,53.706 162.814,53.715 162.662,53.715 162.564,53.706 162.469,53.677 162.446,53.665 129.591,53.665 129.493,53.655 129.399,53.626 129.312,53.58 129.236,53.517 127.762,52.044 127.7,51.968 127.653,51.881 127.625,51.787 127.615,51.689 127.615,12.573 127.625,12.475 127.647,12.402 18.308,12.402 11.502,19.208 11.502,112 11.502,143.792 13.208,145.498 185.527,145.498
SHIELD on Internal Plane 2 (split plane): 257.49,0.51 0.51,0.51 0.51,159.49 257.49,159.49

## Keep-outs
Top Layer:
  circle w0.254: c205.2,98.9 r4
  circle w0.254: c5,70 r4
  circle w0.254: c100,155 r4
  circle w0.254: c190,155 r4
  circle w0.254: c253,155 r4
  circle w0.254: c253,115 r4
  circle w0.254: c253,59 r4
  circle w0.254: c253,5 r4
  circle w0.254: c205.2,4.9 r4
Keep-Out Layer:
  circle w0.254: c5,5 r4
  circle w0.254: c5,155 r4
  circle w0.254: c131.2,4.9 r4
  circle w0.254: c60.2,4.9 r4
  lines w0.254: 57.495,101.847 cw(c60.2,98.9) 58.021,95.546 ; 129.206,98.674 ccw(c133.2,98.9) 133.489,102.89

## Other copper
Internal Plane 1 (plane layer: these items are gaps in the copper):
  lines w1: 0.076,108.356 13.344,108.356 11,110.7 11,144 13,146 185,146 186,147 186,160 ; 13.4,108.3 182.7,108.3 186,111.6 ; 39.7,108.5 39.7,146 ; 68.7,108.4 68.7,146 ; 97.4,108.4 97.4,146 ; 126.5,108.6 126.5,146 ; 139.065,0.229 130.861,0.229 128.143,2.946 128.143,51.74 129.692,53.289 143.332,53.289 162.763,53.289 164.643,51.41 164.643,29.21 167.665,26.187 172.161,21.692 182.372,21.692 ; 155.8,108.6 155.8,146 ; 186,147.2 186,111.6 ; 190.119,0.33 190.119,13.945 182.27,21.793 182.27,96.545 186,100.275 186,111.6
Internal Plane 2 (plane layer: these items are gaps in the copper):
  lines w1: 138.811,11.989 128.702,11.989 128.118,12.573 128.118,51.689 129.591,53.162 162.738,53.162 ; 162.662,53.213 162.814,53.213 164.668,51.359 164.668,29.185 172.136,21.717 182.118,21.717 ; 185.979,146 13,146 11,144 11,112 11,19 18.1,11.9 190.068,11.9 ; 186.03,145.974 186.03,100.178 182.448,96.596 182.448,21.488 190.119,13.818 190.119,11.963 200.812,11.963 201.6,12.751 204.699,15.85 204.699,91.567 202.692,93.574 198.501,93.574 197.18,94.894 197.18,96.418 193.37,100.228 186.233,100.228

## Silkscreen, mask and mechanical layers (free items; w line width, h text height)
Top Overlay:
  text "CB103060 01.001" at 25.475,77.435 h1.52
  text "PMCB" at 27.153,73.711 h5 r359.89
Mechanical 1:
  lines w0.5: 0,5 258,5 ; 0,135 258,135 ; 0,155 258,155 ; 5,0 5,160 ; 83,0 83,160 ; 157,0 157,160 ; 253,0 253,160
  lines w1: 0,0 0,160 258,160 258,0 0,0
Mechanical 3:
  the board outline again, w1

## Dimensions
258,53.4 to 258,64.1 on Mechanical 1
0,0 to 258,0 on Mechanical 1
0,0 to 0,160 on Mechanical 1

## Text inside footprints (layer, text, board x,y; h text height)
C1: Mechanical 7 "Tantal D" at 20.822,55.566 h1 r180
C2: Mechanical 7 "Tantal D" at 27.492,45.522 h1 r270
C3: Mechanical 7 "Tantal D" at 32.95,45.522 h1 r270
C4: Mechanical 7 "Tantal D" at 48.502,45.919 h1 r270
C5: Mechanical 7 "Tantal D" at 5.258,121.31 h1 r90
C19_SK1: Mechanical 7 "Tantal D" at 14.698,141.981 h1 r90
C19_SK2: Mechanical 7 "Tantal D" at 43.698,141.981 h1 r90
C19_SK3: Mechanical 7 "Tantal D" at 72.698,141.981 h1 r90
C19_SK4: Mechanical 7 "Tantal D" at 101.698,141.981 h1 r90
C19_SK5: Mechanical 7 "Tantal D" at 130.698,141.981 h1 r90
C19_SK6: Mechanical 7 "Tantal D" at 159.698,141.981 h1 r90
PCON1: Top Overlay "P3" at 204.165,93.675 h1.52; Top Overlay "P2" at 65.2,92.9 h1.52; Top Overlay "P1" at 59.2,92.9 h1.52; Top Overlay "2" at 205.969,92.354 h1.27 r270; Top Overlay "1" at 203.422,92.074 h1.27 r270; Top Overlay "59" at 203.422,13.842 h1.27 r270; Top Overlay "60" at 205.962,13.842 h1.27 r270; Top Overlay "60" at 66.962,13.842 h1.27 r270; Top Overlay "59" at 64.422,13.842 h1.27 r270; Top Overlay "1" at 64.422,92.074 h1.27 r270; Top Overlay "2" at 66.954,92.202 h1.27 r270; Top Overlay "2" at 60.96,92.253 h1.27 r270; Top Overlay "1" at 58.422,92.074 h1.27 r270; Top Overlay "59" at 58.422,13.842 h1.27 r270; Top Overlay "60" at 60.962,13.842 h1.27 r270; Bottom Overlay "1" at 203.422,92.074 h1.27 r270; Bottom Overlay "1" at 64.422,92.074 h1.27 r270; Bottom Overlay "1" at 58.422,92.074 h1.27 r270
VD1_LIM1: Mechanical 7 "BAT54WS" at 181.241,38.266 h0.5 r180
VD1_LIM2: Mechanical 7 "BAT54WS" at 181.241,49.544 h0.5 r180
VD1_LIM3: Mechanical 7 "BAT54WS" at 181.241,60.821 h0.5 r180
VD1_LIM4: Mechanical 7 "BAT54WS" at 181.241,72.099 h0.5 r180
VD1_LIM5: Mechanical 7 "BAT54WS" at 181.241,83.376 h0.5 r180
VD1_LIM6: Mechanical 7 "BAT54WS" at 181.241,94.654 h0.5 r180
VD2_LIM1: Mechanical 7 "BAT54WS" at 178.447,36.64 h0.5
VD2_LIM2: Mechanical 7 "BAT54WS" at 178.447,47.918 h0.5
VD2_LIM3: Mechanical 7 "BAT54WS" at 178.447,59.196 h0.5
VD2_LIM4: Mechanical 7 "BAT54WS" at 178.447,70.473 h0.5
VD2_LIM5: Mechanical 7 "BAT54WS" at 178.447,81.751 h0.5
VD2_LIM6: Mechanical 7 "BAT54WS" at 178.447,93.028 h0.5
VD3_DIN1: Mechanical 7 "BAT54WS" at 73.762,15.626 h0.5 r270
VD3_DIN2: Mechanical 7 "BAT54WS" at 80.79,15.659 h0.5 r270
VD3_DIN3: Mechanical 7 "BAT54WS" at 87.706,15.855 h0.5 r270
VD3_DIN4: Mechanical 7 "BAT54WS" at 94.889,16.053 h0.5 r270
VD3_DIN5: Mechanical 7 "BAT54WS" at 102.032,16.033 h0.5 r270
VD3_DIN6: Mechanical 7 "BAT54WS" at 108.915,15.946 h0.5 r270
VD4_DIN1: Mechanical 7 "BAT54WS" at 74.981,17.455 h0.5 r180
VD4_DIN2: Mechanical 7 "BAT54WS" at 82.009,17.488 h0.5 r180
VD4_DIN3: Mechanical 7 "BAT54WS" at 88.925,17.684 h0.5 r180
VD4_DIN4: Mechanical 7 "BAT54WS" at 96.108,17.882 h0.5 r180
VD4_DIN5: Mechanical 7 "BAT54WS" at 103.251,17.862 h0.5 r180
VD4_DIN6: Mechanical 7 "BAT54WS" at 110.134,17.775 h0.5 r180
VD11_OUT1: Mechanical 7 "BAT54WS" at 118.694,18.415 h0.5 r270
VD11_OUT2: Mechanical 7 "BAT54WS" at 118.948,29.286 h0.5 r270
VD11_OUT3: Mechanical 7 "BAT54WS" at 118.948,41.3 h0.5 r270
VD11_OUT4: Mechanical 7 "BAT54WS" at 133.872,61.365 h0.5 r90
VD11_OUT5: Mechanical 7 "BAT54WS" at 145.922,61.365 h0.5 r90
VD11_OUT6: Mechanical 7 "BAT54WS" at 157.972,61.365 h0.5 r90
X1: Mechanical 13 "PCB edge" at 257.2,24.5 h1.52 r90
X2: Mechanical 13 "PCB edge" at 257.2,79.5 h1.52 r90
X3: Mechanical 13 "PCB edge" at 225.6,156.9 h1.52 r180
X4: Mechanical 1 "PCB edge" at 148.336,0.838 h1.52
X5: Mechanical 1 "PCB edge" at 75.362,0.838 h1.52
X6_SK1: Top Overlay "2" at 21.98,124.4 h1.5 r90; Top Overlay "1" at 24.52,124.9 h1.5 r90; Top Overlay "14" at 21.98,143.2 h1.5 r90; Top Overlay "13" at 24.52,143.2 h1.5 r90
X6_SK2: Top Overlay "2" at 50.98,124.4 h1.5 r90; Top Overlay "1" at 53.52,124.9 h1.5 r90; Top Overlay "14" at 50.98,143.2 h1.5 r90; Top Overlay "13" at 53.52,143.2 h1.5 r90
X6_SK3: Top Overlay "2" at 79.98,124.4 h1.5 r90; Top Overlay "1" at 82.52,124.9 h1.5 r90; Top Overlay "14" at 79.98,143.2 h1.5 r90; Top Overlay "13" at 82.52,143.2 h1.5 r90
X6_SK4: Top Overlay "2" at 108.98,124.4 h1.5 r90; Top Overlay "1" at 111.52,124.9 h1.5 r90; Top Overlay "14" at 108.98,143.2 h1.5 r90; Top Overlay "13" at 111.52,143.2 h1.5 r90
X6_SK5: Top Overlay "2" at 137.98,124.4 h1.5 r90; Top Overlay "1" at 140.52,124.9 h1.5 r90; Top Overlay "14" at 137.98,143.2 h1.5 r90; Top Overlay "13" at 140.52,143.2 h1.5 r90
X6_SK6: Top Overlay "2" at 166.98,124.4 h1.5 r90; Top Overlay "1" at 169.52,124.9 h1.5 r90; Top Overlay "14" at 166.98,143.2 h1.5 r90; Top Overlay "13" at 169.52,143.2 h1.5 r90
X8: Mechanical 1 "PCB edge" at 4.5,95.5 h1.52 r270
X9: Top Overlay "25" at 16.383,50.292 h1.5 r90; Top Overlay "26" at 9.087,51.125 h1.5 r90; Top Overlay "1" at 16.637,22.225 h1.5 r90; Top Overlay "2" at 9.087,21.395 h1.5 r90